# Allegro board RK3588S_Template_LP5D315P232SD10H2_42x42_2750MHz_1R2_V10_20220413YWQ.brd (continued)
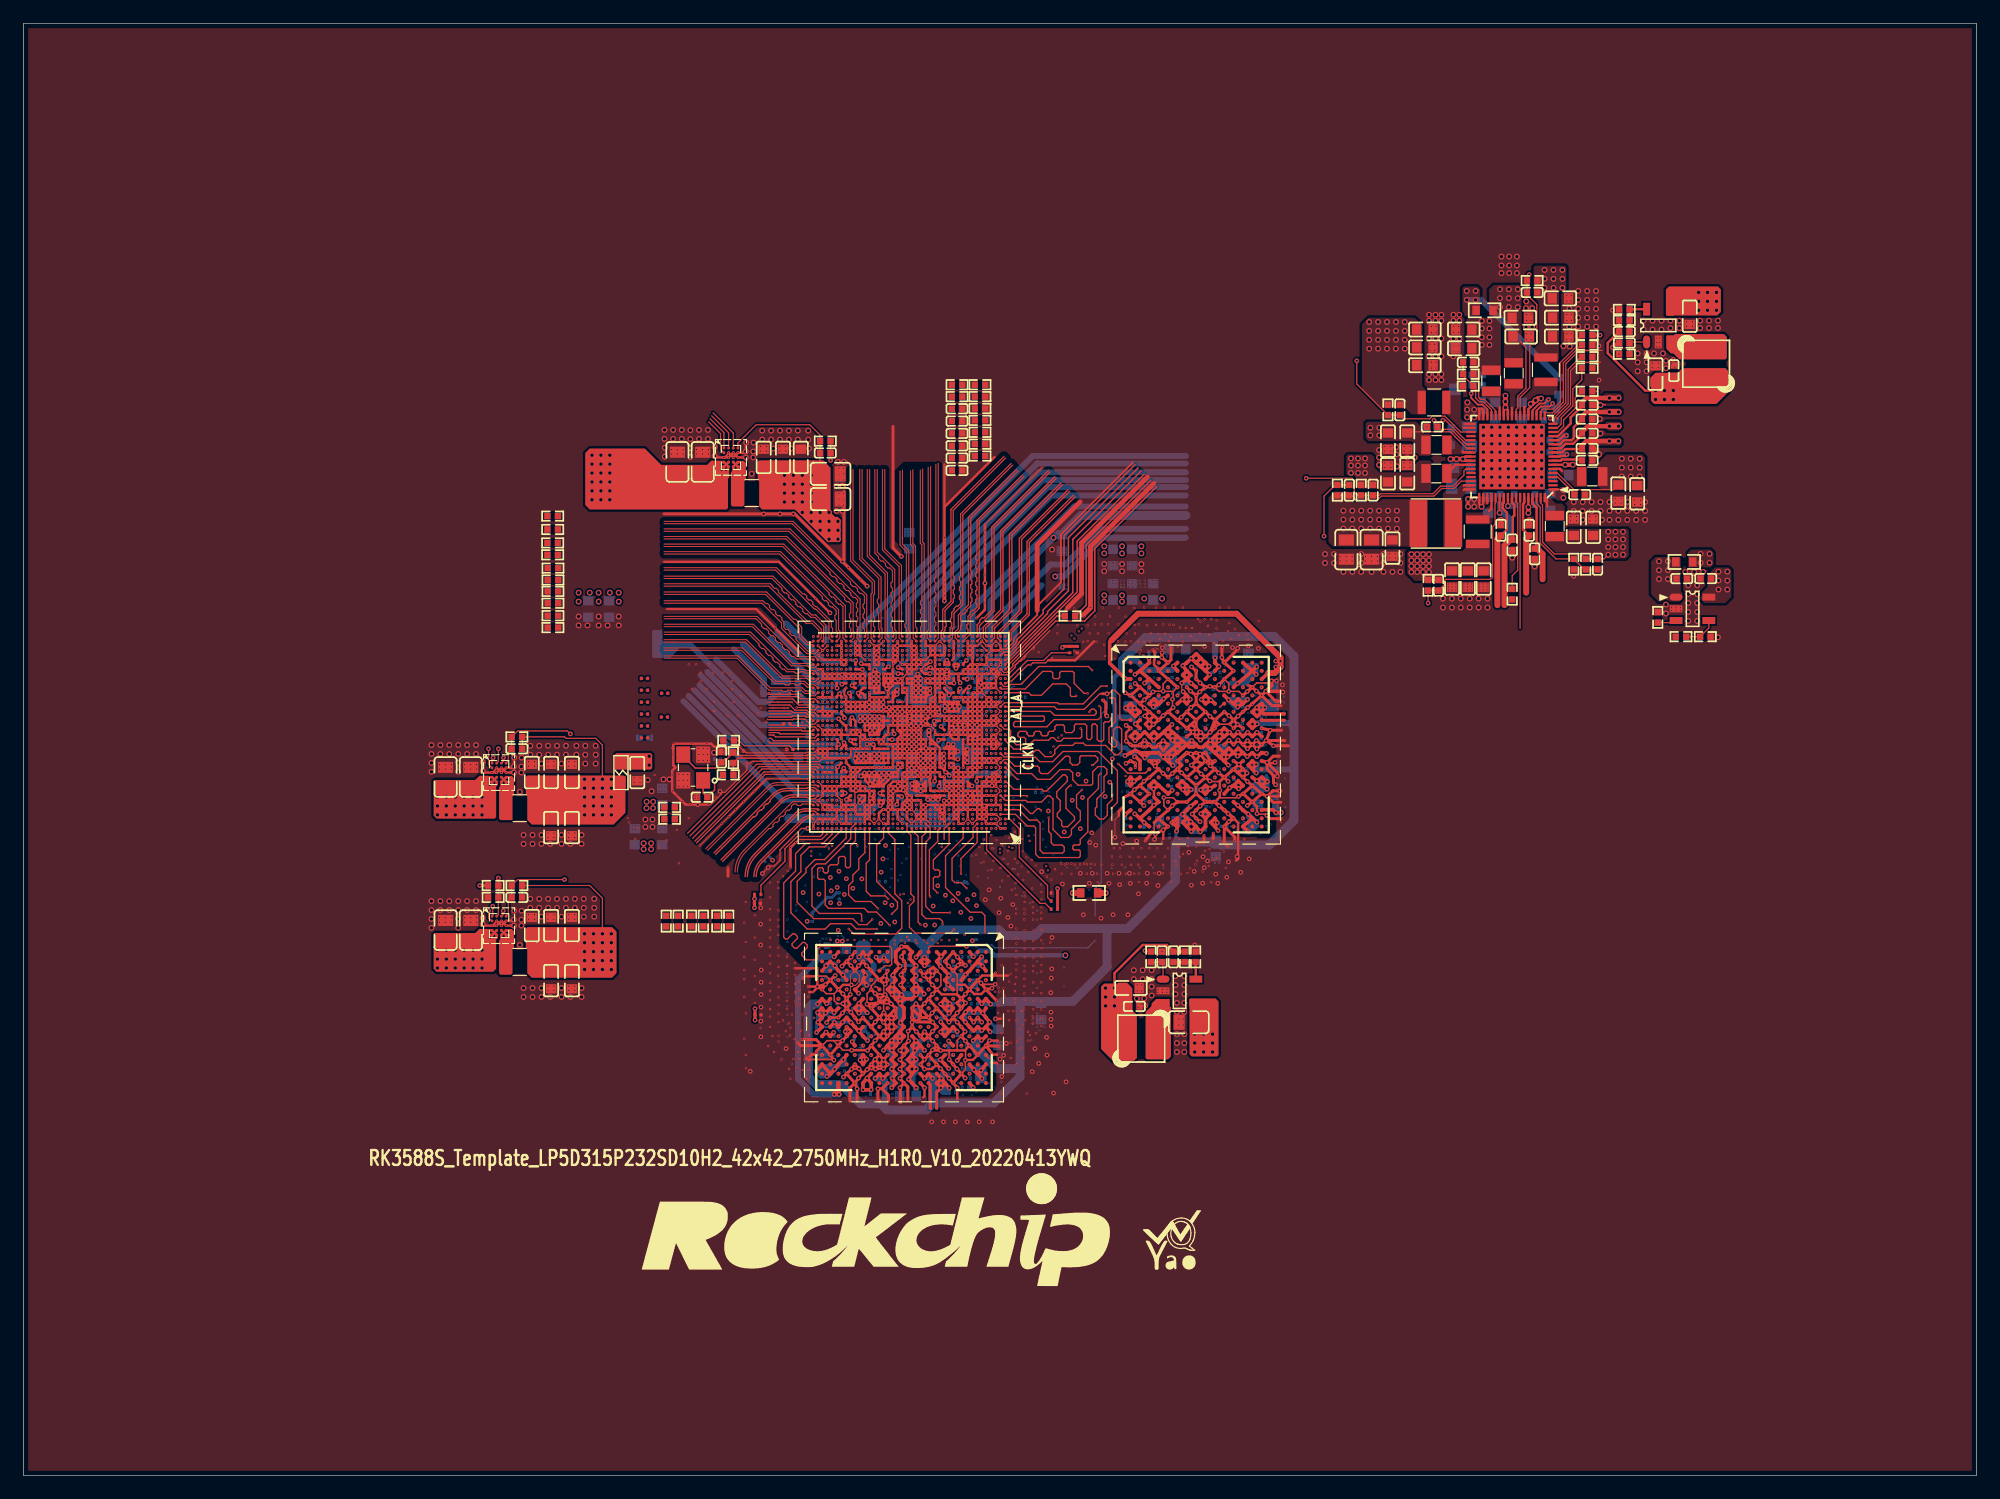
[diagram p0: board, top side]
## Routing (per net, layer and track width the routed paths; a pad name or vN(x,y) marks a point on that pad's centre or on a via; arc(x,y) is an arc through that point) (continued)
  L6-S2 w0.102: v1(79.79,33.14) 80.6,33.14 81.03,33.57 81.49,33.57 81.79,33.27 v4(81.79,32.81)
  L6-S2 w0.203: v4(75.49,60.5) 75.49,60.12 v4(75.54,60.07)
  L6-S2 w0.305: v1(106.15,67.01) 105.84,67.32 105.84,69.14 106.43,69.72 106.43,72.01 v4(105.81,72.63)
  L6-S2 w0.406: 99.69,52.83 98.34,51.47 90.3,51.47 85.6,56.18 85.6,59.44 86.83,60.67 v4(86.83,62.36) 86.83,63.79 85.33,65.29 85.33,66.91 86.23,67.82 86.23,70.74 88.32,72.82 105.61,72.82 v4(105.81,72.63) ; v4(81.79,32.81) 82.14,33.15 84.45,33.15 85.66,34.35 85.66,48.91 80.73,53.84 v1(73.67,53.84) 68.44,53.84 65.02,50.42 65.02,36.62 v1(65.16,36.49) 65.16,35.71 67.29,33.57 67.71,33.57 68.01,33.88 v4(68.01,33.93) ; v1(106.25,56.41) 106.25,56.72 106.81,57.28 v1(106.81,62.36) 106.81,66.42 106.22,67.01 v1(106.15,67.01)
  L8-S3 w0.064: 72.18,58.36 72.09,58.49 v4(71.88,58.52) ; 77.06,65.68 77.07,65.68 ; v4(69.04,63.32) 69.04,63.14 v5(69.21,62.97) ; v4(69.04,63.32) 68.86,63.32 v5(68.58,63.04) ; v4(69.04,63.32) 69.16,63.32 v5(69.34,63.14) ; 68.3,55.65 68.07,55.88 v6(67.98,55.88) 67.73,56.13 67.43,56.13 v8(67.18,55.88) ; 77.42,65.58 77.09,65.66 77.17,65.58 ; v5(70.51,63.83) 70.61,63.83 v4(70.79,63.65) 70.99,63.65 v5(71.12,63.53) ; v5(76.73,64.36) 76.73,64.39 76.74,64.39 76.73,64.44 v4(76.46,64.65) ; v5(75.08,64.24) 75.11,64.26 75.11,64.34 75.27,64.5 75.29,64.48 ; v5(77.67,58.42) 77.47,58.42 v4(77.34,58.55) ; v4(71.88,58.52) 71.75,58.39 71.66,58.39 71.63,58.42 v5(71.6,58.39) ; v4(71.88,58.52) v5(71.48,58.57) ; v5(72.03,67.82) v4(72.03,67.48) ; 71.53,67.61 71.53,67.58 71.63,67.52 71.65,67.44 v4(71.58,67.51) ; v4(76.1,59.64) 76.33,59.41 76.3,59.38 76.3,58.14 v6(76.07,57.91) ; 75.16,63.75 75.21,63.7 75.44,63.7 v4(75.56,63.58) ; v5(72.86,65.28) 72.87,65.28 73.11,65.39 v4(73.15,65.38) 73.18,65.35 73.27,65.34 v5(73.41,65.18) ; v4(77.17,61.65) 77.26,61.51 77.33,61.5 77.5,61.26 77.49,61.22 v5(77.5,61.21) ; v5(76.1,61.21) 76.08,61.22 75.93,61.09 v4(75.92,60.97) 76.23,60.98 v5(76.33,61.09) ; 76.29,63.02 76.67,63.13 v4(76.71,63.2) ; v4(74.04,62.23) 73.86,62.57 73.87,62.6 73.86,62.62 73.86,62.64 ; 82.84,64.86 82.9,64.86 v5(83.06,65.02) ; 82.84,64.86 v5(83.06,64.64) 82.8,64.39 82.8,64.34 82.86,64.34 v5(83.06,64.14) ; 82.84,64.86 v4(82.78,64.86) ; 75.13,63.32 75.24,63.43 v5(75.23,63.5) 75.26,63.53 75.26,63.58 75.18,63.65 75.18,63.76 74.98,63.95 v4(74.9,63.95) ; v5(70.33,63.7) 70.1,63.7 v4(70.03,63.63) 69.93,63.73 v5(69.72,63.73) v5(69.55,63.91) ; 75.29,64.48 75.29,64.61 ; 75.29,64.48 75.31,64.46 ; 75.29,64.61 74.96,64.95 v5(74.93,64.95) ; 75.29,64.61 75.31,64.59 75.31,64.46 ; 75.31,64.46 v4(75.31,64.44) ; 76.5,63.47 76.5,63.78 v5(76.5,63.75)
  L8-S3 w0.076: 92.73,63.62 92.73,63.63 ; 92.73,63.62 92.73,63.62 92.73,63.63 ; 92.73,63.62 92.7,63.62 92.7,63.64 92.71,63.64 v4(92.73,63.66) ; 92.73,63.63 92.73,63.85 92.63,63.96 ; 91.28,63.53 90.83,63.08 ; 91.28,63.53 91.42,63.67 ; 91.28,63.53 91.28,63.41 v6(91.28,63.41) ; 90.83,63.08 90.55,63.08 ; 90.83,63.08 91.26,63.08 ; 90.83,63.08 90.83,62.97 90.68,62.82 ; 96.27,63.78 96.52,63.78 96.54,63.8 ; 96.27,63.78 96.27,63.9 v1(96.54,64.18) ; 96.27,63.78 94.29,63.78 ; 90.07,63.61 90.04,63.61 ; 90.07,63.61 90.61,63.61 90.71,63.72 ; 90.07,63.61 v6(89.92,63.76) ; 90.04,63.61 89.57,63.61 ; 90.04,63.61 90.04,63.62 v6(90.2,63.78) 90.26,63.72 90.71,63.72 ; 93.58,63.68 93.16,63.68 93.02,63.54 ; 93.58,63.68 93.3,63.96 93.02,63.96 ; 93.58,63.68 93.87,63.39 ; 96.54,63.8 96.56,63.78 96.94,63.78 ; 96.54,63.8 96.54,64.16 v1(96.54,64.18) ; 88.87,62.38 88.49,62.38 88.49,62.58 88.86,62.58 ; 88.87,62.38 88.79,62.46 v6(88.79,62.51) 88.86,62.58 ; 88.87,62.38 89.13,62.38 ; 90.95,63.95 91.01,64.01 ; 90.95,63.95 90.95,64.01 ; 90.95,63.95 90.71,63.72 ; 91.01,64.01 90.95,64.01 ; 91.01,64.01 91.1,64.11 ; v1(96.54,64.18) 96.94,63.78 ; 90.08,62.82 89.63,62.38 89.53,62.38 ; 90.08,62.82 89.89,62.82 v6(89.73,62.98) ; 90.08,62.82 90.08,62.86 90.3,63.08 ; 90.08,62.82 90.3,62.82 ; v4(90.76,61.53) 90.85,61.53 v4(91.25,61.13) ; 95.82,62.85 96.22,63.24 ; 95.82,62.85 v1(95.79,62.82) 95.37,63.24 ; 95.82,62.85 95.82,63.24 ; 96.22,63.24 96.93,63.24 ; 96.22,63.24 95.82,63.24 ; 90.68,62.82 90.3,62.82 ; 90.68,62.82 91.01,62.82 ; 90.3,62.82 90.55,63.08 ; 90.95,64.01 90.95,64.13 v6(90.97,64.15) 91.03,64.22 91.15,64.22 ; 91.93,63.31 91.53,62.91 ; 91.93,63.31 91.93,63.42 v4(91.67,63.68) ; 91.93,63.31 91.57,63.31 v6(91.53,63.35) ; 91.53,62.91 v6(91.53,63.35) ; 91.53,62.91 91.44,62.82 ; 94.29,63.78 94.24,63.78 93.83,64.19 ; 94.29,63.78 94.22,63.86 94.22,64.1 v1(94.22,64.1) 94.13,64.19 93.83,64.19 ; 92.58,64.49 93.52,64.49 93.83,64.19 ; 92.58,64.49 91.48,64.49 91.21,64.22 ; 92.58,64.49 92.58,64.89 v1(92.56,64.9) ; v6(89.04,59.99) 89.04,60.19 v4(89.13,60.29) 89.24,60.18 v6(89.24,59.98) ; 96.94,63.78 98.45,63.78 ; 98.45,63.78 98.53,63.86 ; 98.45,63.78 98.58,63.78 98.6,63.8 ; v6(89.01,60.89) 89.68,60.89 v6(89.83,60.74) 89.85,60.76 v6(89.85,61.06) 89.85,61.21 v4(89.62,61.43) ; v4(91.67,63.68) 91.67,63.67 91.42,63.67 ; v4(91.67,63.68) 91.67,63.88 91.74,63.96 ; 91.42,63.67 91.7,63.96 91.74,63.96 ; 89.46,63.61 89.33,63.61 88.83,63.11 88.23,63.11 87.96,62.85 87.96,62.7 87.96,62.11 ; 89.46,63.61 89.57,63.61 ; 89.46,63.61 89.57,63.72 ; 91.21,64.22 91.1,64.11 ; 91.21,64.22 91.15,64.22 ; 91.1,64.11 91.1,64.17 91.15,64.22 ; 89.13,62.38 89.53,62.79 ; 89.13,62.38 89.53,62.38 ; 89.53,62.79 89.53,62.38 ; 89.53,62.79 v6(89.73,62.98) ; 97.41,63.24 97.79,63.24 ; 97.41,63.24 96.93,63.24 ; 97.41,63.24 97.38,63.22 v1(97.38,62.79) ; 97.79,63.24 98.43,63.24 98.7,62.97 99.16,62.97 99.69,63.51 99.8,63.51 99.88,63.43 ; 97.79,63.24 97.79,63.2 v1(97.38,62.79) ; 94.21,63.24 94.21,62.77 v1(94.23,62.75) 94.73,63.24 ; 94.21,63.24 94.02,63.24 93.87,63.39 ; 94.21,63.24 94.73,63.24 ; v1(97.38,62.79) 96.93,63.24 ; 89.66,61.47 89.66,61.85 ; 89.66,61.47 v4(89.62,61.43) ; 89.66,61.47 90.03,61.85 ; 89.66,61.85 89.85,61.85 ; 89.66,61.85 89.28,61.85 ; 91.01,62.82 91.44,62.82 ; 91.01,62.82 91.26,63.08 ; 90.55,63.08 90.3,63.08 ; 99.38,64.9 99.38,63.99 98.96,63.57 98.88,63.57 98.68,63.78 98.62,63.78 98.6,63.8 ; 99.38,64.9 99.01,64.9 98.93,64.82 98.93,64.81 ; 99.38,64.9 99.65,65.17 99.78,65.17 ; 93.02,63.54 93.02,63.96 ; 93.02,63.54 v6(93,63.52) ; v6(89.73,62.98) 89.83,63.08 ; v6(89.73,62.98) 89.69,63.03 89.5,63.03 ; 90.55,62.29 90.3,62.29 90.22,62.22 ; 90.55,62.29 91.66,62.29 ; 90.55,62.29 90.48,62.22 ; 89.83,63.08 90.3,63.08 ; 89.83,63.08 89.55,63.08 89.5,63.03 ; 98.53,63.86 98.53,63.97 98.59,64.02 98.59,64.35 v4(98.63,64.39) ; 98.53,63.86 98.6,63.8 ; 94.73,63.24 95.37,63.24 ; 91.44,62.82 91.26,63.01 91.26,63.08 ; 89.57,63.72 v4(89.57,63.78) ; 89.57,63.72 89.57,63.61 ; 95.37,63.24 95.82,63.24 ; 91.74,63.96 92.63,63.96 ; 99.88,63.43 99.88,63.47 v1(99.93,63.53) ; 99.88,63.43 99.94,63.5 99.94,63.65 100.04,63.75 100.16,63.75 100.36,63.56 100.55,63.56 ; 90.22,62.22 89.85,61.85 ; 90.22,62.22 90.48,62.22 ; v6(101.39,64.5) v1(101.39,64.87) 101.35,64.9 100.65,64.9 100.64,64.91 ; v6(101.39,64.5) 101.67,64.21 v6(101.67,63.81) 101.42,63.56 101.34,63.56 ; v6(101.39,64.5) 101.12,64.5 100.87,64.74 100.78,64.74 v4(100.59,64.93) 100.59,64.96 ; 92.63,63.96 93.02,63.96 ; 92.04,62.67 92.79,62.67 v6(92.85,62.72) 92.97,62.59 v6(93.3,62.59) ; 92.04,62.67 91.66,62.29 ; 92.04,62.67 92.21,62.84 93.02,62.84 93.14,62.96 93.15,62.96 ; v6(91.53,63.35) 91.26,63.08 ; 80.49,41.13 80.54,41.08 v5(80.88,41.08) 80.88,41.09 v5(81.26,41.09) 81.41,41.24 v5(81.41,41.35) 81.41,41.68 v1(81.82,42.08) ; 89.85,61.85 90.03,61.85 ; v4(89.62,61.43) 89.54,61.43 v6(89.33,61.22) 89.27,61.16 88.88,61.16 v6(88.87,61.18) 88.45,61.18 v6(88.42,61.15) 88.35,61.08 v6(88.35,60.84) ; v4(89.62,61.43) 89.62,61.51 89.28,61.85 ; 91.66,62.29 91.57,62.2 v6(90.46,62.2) ; v6(93.15,63.31) 93.23,63.39 93.87,63.39 ; 93.15,62.96 93.15,63.19 92.83,63.52 ; 93.15,62.96 v4(93.15,62.92) ; v1(100.58,63.51) 100.58,63.53 100.55,63.56 ; 99.78,65.17 100.13,65.17 100.39,64.9 100.52,64.9 100.59,64.98 100.59,64.96 ; 99.78,65.17 99.78,65.59 v1(99.75,65.63) ; 89.5,63.03 89.05,62.58 88.86,62.58 ; 101.17,64.91 100.64,64.91 ; 100.64,64.91 100.59,64.96 ; v6(89.7,66.95) 89.7,66.78 v6(89.72,66.75) 89.72,66.63 v4(89.56,66.47) ; 101.37,63.53 101.34,63.56 ; 101.34,63.56 101.29,63.56 101.05,63.8 100.88,63.8 100.74,63.66 100.65,63.66 100.55,63.56 ; 90.03,61.85 90.11,61.85 v6(90.46,62.2) ; 89.28,61.85 88.23,61.85 87.96,62.11 ; v6(90.46,62.2) 90.48,62.22 ; v1(92.82,59.25) 92.64,59.43 90.87,59.43 v1(90.79,59.34) ; 87.96,62.11 87.76,62.11
  L8-S3 w0.102: v4(89.8,65.62) 89.44,65.62 v6(89.38,65.56) 89.23,65.4 v4(88.93,65.4) ; v4(73.61,62) 73.41,62 v6(73.28,62.13) 73.12,62.29 v4(73.12,62.42) ; v5(69.72,36.96) 69.63,36.87 v5(69.47,36.87) 69.33,37.01 v4(69.33,37.14) ; v5(69.72,36.96) 69.78,36.96 69.96,37.14 ; v5(69.72,36.96) 69.72,37.25 v6(69.55,37.43) 69.71,37.59 v5(69.85,37.59) 69.87,37.59 v1(70.22,37.94) ; 76.69,65.45 76.63,65.54 76.51,65.57 76.46,65.65 76.45,65.55 76.28,65.42 v5(76.26,65.42) ; v4(72.58,65.41) 72.58,65.57 72.59,65.59 ; v4(73.08,65.78) 73.01,65.83 72.94,66.27 72.93,66.39 v5(72.9,66.42) ; v4(73.08,65.78) 73.05,65.63 73.26,65.35 73.29,65.34 v5(73.41,65.18) ; v4(73.08,65.78) 72.83,65.61 72.89,65.52 ; v4(73.08,65.78) 72.9,65.84 72.82,66 72.84,66.13 72.85,66.14 ; 82.01,64.3 81.89,64.18 v4(81.89,64.15) ; v6(91.99,65.28) 92.28,65.28 v4(92.31,65.31) 92.16,65.31 91.99,65.48 ; v6(91.99,65.28) 91.68,65.28 v4(91.66,65.3) ; v6(91.99,65.28) 91.99,65.48 ; v6(76.1,65.71) 75.87,65.43 v5(75.85,65.42) 75.88,65.42 76.04,65.53 76.2,65.51 76.43,65.19 v4(76.5,65.18) 76.46,65.17 76.25,64.9 ; 80.45,34.4 80.52,34.4 v6(80.56,34.36) 80.57,34.36 v5(80.77,34.16) ; 72.56,64.05 v6(72.54,64.03) 72.52,64.05 ; 72.56,64.05 73.41,64.05 73.51,64.15 ; 72.56,64.05 72.52,64.05 ; v6(72.77,69.42) 72.77,69.41 72.26,68.9 v6(72.26,68.63) ; v6(73.41,55.75) 73.48,55.83 73.79,55.83 73.53,56.08 73.53,56.38 73.57,56.42 ; v4(74.84,64.63) 74.88,64.36 74.99,64.28 75.02,64.28 75.11,64.21 75.11,64.21 v5(75.08,64.24) ; v4(74.84,64.63) 74.77,64.48 74.81,64.36 v5(74.88,64.33) ; v4(74.84,64.63) 74.97,64.76 74.97,64.9 v5(74.93,64.95) ; v5(78.1,63.53) 78.5,63.53 79.02,64.05 v4(79.18,64.05) ; v4(71.93,63.95) 72.03,64.05 72.52,64.05 ; 77.22,68.11 77.2,68.09 77.2,67.65 77.1,67.55 77.1,65.71 77.07,65.68 77.09,65.66 ; 91.99,65.48 v6(91.95,65.52) ; v4(67.39,57.96) 67.55,57.8 v6(67.64,57.8) 67.73,57.8 ; v5(72.64,56.13) 72.59,56.08 72.29,56.08 ; v6(80.39,56.52) 80.62,56.52 v4(80.69,56.58) ; v5(71.08,68.2) 71,68.2 70.97,68.22 70.97,68.46 70.87,68.56 70.87,68.52 v4(70.89,68.5) 70.89,69.38 70.62,69.65 v4(69.93,69.65) ; v5(71.28,67.45) 70.97,67.15 70.97,66.65 v5(70.82,66.5) ; v6(74.55,57.91) 74.55,57.86 74.65,57.76 74.78,57.76 74.98,57.56 75.16,57.56 v6(75.18,57.53) ; 77.47,60.08 v5(77.47,60.07)
  L8-S3 w0.127: v6(89.33,66.24) 89.55,66.02 v6(89.55,65.91) ; v6(89.33,66.24) 89.53,66.44 ; v6(89.33,66.24) 89.18,66.09 v4(89.05,66.09) ; 98.17,70.33 v6(97.88,70.33) ; v6(82.05,47.62) 82.01,47.62 v4(81.79,47.4) 81.65,47.53 v6(81.65,47.68) ; 102.21,64.21 v4(102.18,64.18) ; 102.21,64.21 v6(102.52,64.21) ; 102.21,64.21 102.24,64.24 ; v4(102.18,64.18) 102,64.36 v6(101.63,64.36) ; v4(102.18,64.18) 102.38,63.98 v6(102.52,63.98) ; v4(102.18,64.18) 102.04,64.04 v6(101.79,64.04) ; v5(70.1,43.82) 69.95,43.66 v1(69.95,43.53) 69.95,43.32 v1(69.36,42.73) ; 91.69,65.32 v6(91.69,65.7) 91.69,65.72 v6(91.44,65.96) ; 91.69,65.32 91.89,65.52 v6(91.95,65.52) ; 91.69,65.32 v4(91.66,65.3) ; 80.95,35.4 v6(80.95,35.7) ; v6(79.21,36.52) 79.49,36.52 v4(79.58,36.43) ; v1(70.14,49.66) 70.24,49.66 70.77,50.18 70.82,50.18 ; v1(97.39,55.18) 97.57,55 v4(97.57,54.7) ; 88.75,60.94 88.87,61.06 v6(88.87,61.18) ; 88.75,60.94 v4(88.7,60.89) ; 88.75,60.94 88.96,60.94 v6(89.01,60.89) 89.12,60.99 89.44,60.99 v6(89.52,61.07) ; 93.56,57.17 93.45,57.27 v4(93.43,57.27) 93.43,57.29 93.6,57.46 v6(93.72,57.46) ; 93.56,57.17 93.64,57.08 v6(93.64,56.95) ; 93.56,57.17 v6(93.79,57.17) ; v1(77.69,41.14) 77.69,41.53 v6(77.66,41.55) ; v1(77.69,41.14) 77.6,41.14 77.17,40.71 77.17,40.53 v1(76.99,40.34) ; v1(77.69,41.14) 78.03,41.14 v6(78.13,41.04) 78.32,40.85 ; v5(79.28,34.2) 79.49,34.41 79.75,34.41 79.75,34.73 v1(79.76,34.74) 79.76,34.88 v1(79.1,35.54) ; v4(73.83,46.62) 73.97,46.48 v6(73.97,46.31) ; v4(73.83,46.62) 73.93,46.73 v6(73.93,47) 74.23,47.3 v1(74.45,47.3) ; v4(73.83,46.62) 73.67,46.47 v6(73.67,46.26) ; v4(73.83,46.62) 73.68,46.77 v6(73.68,46.97) 73.47,47.18 v1(73.26,47.18) 73.44,47.36 v6(73.44,47.67) 73.44,47.93 ; 102.36,59.27 102.45,59.19 102.45,59.12 ; 102.36,59.27 v4(102.25,59.39) 101.42,59.39 v1(101.37,59.34) ; 102.36,59.27 v6(102.36,58.91) 102.38,58.9 102.38,58.79 102.22,58.63 v1(102.22,58.55) 102.39,58.55 102.86,58.09 ; v1(91.28,54.92) 91.85,54.92 92.49,54.28 ; v4(77.62,35.34) 77.62,35.34 v6(77.29,35.34) ; v4(77.62,35.34) 77.58,35.34 77.38,35.54 ; v4(77.62,35.34) 77.85,35.11 v6(77.88,35.11) 78.21,34.78 v1(78.36,34.78) ; v4(77.62,35.34) 77.75,35.47 v6(77.9,35.47) ; v6(104.16,68.2) 104,68.2 v4(103.83,68.37) ; v6(97.05,60.71) 97.05,60.39 v4(97.02,60.36) ; v4(71.47,37) 71.59,37 v6(71.8,36.79) ; v4(71.47,37) 71.47,37.03 71.56,37.12 v4(71.56,37.42) 71.54,37.45 v6(71.22,37.45) 71.07,37.6 v6(71.07,37.61) ; v4(71.47,37) 71.45,37 71.2,36.76 v6(71.2,36.75) ; 73.11,37.56 73.01,37.66 v6(73.01,37.78) ; 73.11,37.56 v6(72.85,37.56) ; 73.11,37.56 v4(73.19,37.48) 72.87,37.16 v1(72.77,37.16) ; v4(99.07,70.22) 99.2,70.09 v6(99.2,69.87) 99.26,69.81 99.26,69.64 99.8,69.1 v1(99.81,69.1) ; v4(99.07,70.22) 98.93,70.08 v6(98.93,69.9) ; v4(99.07,70.22) 99.09,70.24 v6(99.44,70.24) 99.46,70.24 v6(99.65,70.44) 99.84,70.44 ; v4(89.62,54.55) 89.7,54.55 89.78,54.46 v6(89.99,54.46) ; 92.35,65.27 v6(92.67,65.27) ; 92.35,65.27 v4(92.31,65.31) 92.31,65.34 v6(92.7,65.73) 92.89,65.92 ; 92.35,65.27 92.56,65.06 ; v6(92.67,65.27) 92.56,65.17 92.56,65.06 ; v6(92.67,65.27) 92.98,65.59 v4(93.35,65.59) ; v4(88.7,60.89) 88.43,61.15 v6(88.42,61.15) ; v4(88.7,60.89) 88.64,60.84 v6(88.35,60.84) ; 98.02,59.16 97.83,59.35 v6(97.78,59.35) ; 98.02,59.16 v6(97.66,59.16) ; 98.02,59.16 v4(98.03,59.15) 98.2,58.98 v6(98.33,58.98) ; 92.89,65.92 92.89,65.72 v6(92.99,65.63) ; 92.89,65.92 v4(92.89,65.99) ; v4(91.25,61.13) 91.1,60.98 v6(90.95,60.98) 90.67,60.98 v4(90.62,61.03) 90.62,61.39 v4(90.76,61.53) 90.76,61.38 v6(90.94,61.19) 91,61.13 v4(91.25,61.13) ; v4(91.25,61.13) 91.46,60.93 v6(91.54,60.93) ; 67.86,36.96 68.05,36.78 v6(68.13,36.78) 68.13,36.77 v5(68.13,36.53) ; 67.86,36.96 v6(67.86,36.64) ; 67.86,36.96 v4(67.86,36.97) ; v6(80.43,47.11) 80.43,46.87 80.35,46.79 ; 102.85,54.88 102.85,55.11 102.59,55.37 v6(102.59,55.49) 102.59,55.74 v6(102.52,55.82) 102.52,55.97 v6(102.43,56.06) 102.43,56.3 v4(102.35,56.38) 102.37,56.39 102.8,56.39 102.94,56.53 v1(102.94,56.56) ; 102.85,54.88 102.97,54.76 v4(102.97,54.73) ; 102.85,54.88 102.81,54.92 v6(102.63,54.92) ; v6(81.36,46.64) 81.38,46.66 v4(81.72,46.66) ; 84.08,46.95 84.03,46.95 v6(83.93,46.85) 83.69,46.85 v4(83.57,46.97) ; 72.16,41.2 72.3,41.35 v6(72.3,41.4) 72.57,41.67 v6(72.57,41.82) 72.57,41.95 72.76,42.15 ; 92.91,68.39 92.62,68.39 v6(92.55,68.32) 92.29,68.32 v6(92.05,68.57) ; 70.93,35.61 70.89,35.56 70.78,35.56 v4(70.71,35.49) ; 100.13,70.43 v4(99.98,70.58) 99.88,70.68 99.73,70.68 99.76,70.71 ; v6(73.56,37.53) 73.24,37.53 ; v6(89.55,65.91) 89.47,65.83 v6(89.26,65.83) 89.26,65.88 v4(89.05,66.09) ; v6(89.55,65.91) 89.55,65.88 v4(89.8,65.62) ; 80.45,34.4 v4(80.16,34.4) ; 69.68,50.41 v1(69.53,50.26) 69.22,49.95 69.04,49.95 v1(69.02,49.97) ; 69.68,50.41 v1(69.68,51.64) ; 69.68,50.41 70.27,51 v1(70.31,51) ; 78.02,49.42 77.92,49.52 v6(77.79,49.52) ; 78.02,49.42 v4(78.08,49.36) ; 78.02,49.42 v6(78.02,49.66) ; 93.46,67.95 93.35,68.06 v6(93.19,68.06) ; 80.01,36.32 79.68,36.32 ; 80.01,36.32 80.1,36.32 ; 80.01,36.32 79.88,36.46 79.86,36.46 ; 79.68,36.32 v4(79.58,36.43) ; 79.68,36.32 79.83,36.18 v6(79.95,36.18) 80.1,36.32 ; v6(80.17,44.15) 80.39,44.15 v4(80.49,44.05) 80.49,44.04 v1(80.49,43.59) 80.18,43.59 ; v6(80.17,44.15) 79.96,44.15 79.85,44.26 ; v6(80.17,44.15) 80.14,44.12 80.14,43.98 v6(80.06,43.9) 80.14,43.81 80.14,43.62 80.18,43.59 ; 98.53,65.63 v1(98.23,65.63) ; 98.53,65.63 98.52,65.61 v6(98.52,65.12) ; 98.53,65.63 v6(98.55,65.65) 98.55,65.91 98.62,65.97 ; v1(98.23,65.63) 98.23,65.68 98.27,65.72 v6(98.27,65.97) ; v1(98.23,65.63) 98.18,65.63 97.85,65.3 ; 92.37,61.05 92.46,60.96 v6(92.46,60.77) ; 92.37,61.05 v4(92.33,61.09) 92.26,61.17 ; 92.37,61.05 v6(92.65,61.05) ; v6(90.53,60.69) 90.58,60.65 v6(90.58,60.38) 90.58,60.25 v4(90.75,60.08) ; v6(90.53,60.69) 90.33,60.69 90.27,60.76 ; v6(90.53,60.69) 90.53,60.95 ; v6(103.5,68.2) 103.66,68.2 v4(103.83,68.37) ; v6(98.96,54.4) 98.82,54.4 v4(98.56,54.14) 98.56,54.48 98.82,54.74 v6(99.01,54.74) ; 78.5,40.85 v6(78.77,41.12) 79.08,41.12 ; 78.5,40.85 78.67,40.85 v6(78.78,40.74) ; 78.5,40.85 v4(78.44,40.85) 78.37,40.79 v6(78.09,40.79) ; v6(98.56,61.23) 98.56,61.34 98.83,61.61 98.73,61.71 v6(98.54,61.71) ; v4(78.69,37.5) 78.54,37.36 v6(78.36,37.36) 78.29,37.43 v6(78.07,37.43) ; v6(91.02,57.37) 91.02,57.6 v4(91.15,57.73) ; v1(77.64,39.53) 77.35,39.24 v5(77.12,39.24) 77.27,39.09 v5(77.27,38.96) ; v1(77.64,39.53) 77.69,39.53 v6(77.95,39.8) 77.91,39.8 v4(77.62,40.09) 77.38,40.09 v6(77.27,39.98) 77.27,40.05 v1(76.99,40.34) ; v1(77.64,39.53) 77.69,39.48 v1(77.69,38.74) ; v6(87.96,64.62) 87.96,64.85 87.89,64.92 ; 73.44,47.93 73.54,47.83 73.6,47.83 ; 73.44,47.93 v4(73.34,48.03) 73.43,48.12 v6(73.71,48.12) 73.94,48.36 ; v6(96.73,67.26) 96.73,67.54 v4(96.69,67.58) 96.51,67.41 v6(96.51,67.29) 96.51,66.97 v1(96.52,66.97) 96.44,66.9 96.24,66.9 95.77,66.43 v1(95.77,66.29) ; v4(82.54,46.86) 82.47,46.94 82.36,46.94 v6(82.28,47.02) ; v6(72.16,40.77) 72.08,40.7 ; 72.08,40.7 v1(72.08,40.28) 72.15,40.22 ; 72.08,40.7 72.03,40.64 v6(71.92,40.64) 71.81,40.64 v4(71.64,40.81) 71.6,40.77 v6(71.11,40.77) ; v6(92.6,61.33) 92.58,61.33 92.49,61.24 ; v4(97.57,54.7) 97.8,54.47 97.8,54.36 v6(97.84,54.31) ; v4(97.57,54.7) 97.49,54.63 v6(97.49,54.31) ; v4(97.02,60.36) 97.37,60.01 v1(97.37,60) ; v4(97.02,60.36) 97.02,60.38 96.74,60.66 96.72,60.66 ; v4(97.02,60.36) 96.89,60.23 v6(96.68,60.23) ; v4(78.58,51.86) 78.58,51.88 78.79,52.1 v6(78.79,52.1) ; v4(78.58,51.86) 78.55,51.86 ; v4(78.58,51.86) 79.04,51.86 ; v5(83.16,36.08) 83.4,36.08 v5(83.42,36.09) 83.56,36.09 v1(83.74,35.91) ; 79.54,40.93 v6(79.41,40.8) ; v4(83.4,48.73) 83.36,48.69 ; v4(83.4,48.73) 83.26,48.88 v6(83.09,48.88) ; v4(83.4,48.73) 83.44,48.7 ; 83.36,48.69 v1(83.36,48.09) 83.36,47.96 83.45,47.88 v6(83.45,47.3) 83.45,47.1 v4(83.57,46.97) ; 83.36,48.69 83.31,48.64 v6(83.07,48.64) ; v4(92.09,57.45) 91.95,57.6 v6(91.79,57.6) ; v4(92.09,57.45) 92.25,57.6 v6(92.43,57.6) 92.42,57.62 v1(92.42,58.02) ; v4(92.09,57.45) 92.25,57.29 v6(92.44,57.29) ; v4(92.09,57.45) 92.08,57.43 ; 84.4,45.9 84.4,46.19 84.49,46.28 v6(84.55,46.28) 84.55,46.78 v1(84.37,46.95) ; 84.4,45.9 84.52,46.02 v6(84.74,46.02) ; 84.4,45.9 v4(84.35,45.85) ; 78.31,41.89 78.07,41.64 v6(78.07,41.59) 77.7,41.59 v6(77.66,41.55) ; 78.31,41.89 78.14,42.06 v6(78,42.06) 77.88,41.93 v1(77.66,41.93) 77.65,41.93 77.66,41.91 v6(77.66,41.55) ; 78.31,41.89 v4(78.34,41.89) ; 93.38,58.91 v4(93.52,58.91) 93.58,58.85 v6(93.88,58.85) ; 93.38,58.91 v6(93.23,59.06) 93,59.06 v1(92.82,59.25) ; 93.38,58.91 93.15,58.91 v6(93.06,58.82) ; 98.01,70.51 98.11,70.41 v4(98.25,70.41) 98.31,70.47 v6(98.31,70.75) ; v1(69.96,45.67) 69.96,45.83 v5(70.1,45.97) ; v1(69.96,45.67) 69.56,45.67 ; v1(69.96,45.67) 69.93,45.69 v5(69.93,46.14) 69.79,46.14 69.59,45.93 ; v1(95.12,54.22) 95.12,54.28 94.77,54.63 94.71,54.63 ; v4(91.15,57.73) 91.08,57.79 v6(91.08,58.05) 91.08,58.26 v6(91.05,58.29) 91.09,58.33 v6(91.26,58.33) 91.26,58.63 v4(91.32,58.69) ; v4(91.15,57.73) 91.25,57.62 v6(91.25,57.38) ; v6(91.53,63.35) 91.53,63.54 ; 91.53,63.54 v4(91.67,63.68) ; 91.53,63.54 91.4,63.41 v6(91.28,63.41) ; v4(90.15,60.87) 90.02,60.74 v6(89.83,60.74) ; v4(90.15,60.87) 89.97,61.06 v6(89.85,61.06) 89.84,61.07 v6(89.52,61.07) ; v4(90.15,60.87) 90.27,60.76 ; 80.35,46.79 80.6,46.53 v6(80.6,46.52) ; 80.35,46.79 80.21,46.93 v6(80.21,47.18) 80.25,47.22 v6(80.25,47.52) 79.97,47.52 79.9,47.45 v4(79.88,47.45) ; 79.86,36.46 79.92,36.51 v6(79.98,36.51) 80.11,36.38 80.16,36.38 ; 79.86,36.46 79.6,36.46 v4(79.58,36.43) ; v4(76.26,47.36) 76.22,47.36 76.09,47.49 v6(76.09,47.7) ; v4(76.26,47.36) 76.26,47.34 76.39,47.21 v6(76.54,47.21) 76.72,47.03 v1(77.06,47.03) ; v4(76.26,47.36) 76.18,47.28 76.18,47.21 v6(76.05,47.09) ; v6(92.6,65.53) 92.79,65.53 v6(92.91,65.41) ; v5(82.43,36.4) 82.18,36.4 82.16,36.38 82.02,36.38 ; v1(76.99,35.54) 77.38,35.54 ; 77.38,35.54 v6(77.29,35.63) ; 79.85,44.26 v1(79.8,44.31) 79.8,44.37 v5(80.01,44.58) ; 79.85,44.26 v1(79.85,43.6) 79.87,43.59 80.18,43.59 ; v4(102.46,64.91) 102.46,65.06 v6(102.63,65.23) ; v4(102.46,64.91) 102.46,64.51 v6(102.51,64.45) 102.45,64.45 102.24,64.24 ; v4(102.46,64.91) 102.34,65.03 v6(102.34,65.24) 102.63,65.24 v6(102.63,65.23) ; v6(91.46,60.72) 91.46,60.85 v6(91.54,60.93) ; v6(91.46,60.72) 92.09,60.72 v6(92.15,60.78) 92.15,60.91 92.17,60.93 ; v6(91.46,60.72) 91.61,60.57 v6(91.61,60.41) 91.61,60.08 v4(91.59,60.06) 91.49,59.96 v6(91.16,59.96) 90.86,59.96 v4(90.75,60.08) ; v1(77.5,69.04) 77.45,69.04 77.09,68.68 77.09,68.24 77.22,68.11 77.22,68.11 ; v6(94.12,57.87) 94.12,57.97 94.07,58.02 ; v1(70.75,34.73) 70.61,34.86 70.61,34.98 ; v6(98.57,68.27) 98.27,68.27 v4(98.19,68.35) 98.36,68.53 ; v6(92.85,62.72) 92.95,62.72 v4(93.15,62.92) ; 92.12,68.37 v6(92.18,68.37) 92.2,68.35 v6(92.2,68.06) 91.95,68.06 ; 69.46,45.58 v1(69.55,45.68) ; 69.46,45.58 v5(69.46,45.31) ; 69.46,45.58 69.34,45.46 v5(69.29,45.46) ; v1(69.55,45.68) 69.56,45.67 ; v1(69.55,45.68) 69.59,45.72 69.59,45.93 ; v4(79.82,37.16) 79.59,37.39 v6(79.55,37.39) ; v4(79.82,37.16) 79.67,37.16 79.56,37.06 v6(79.53,37.06) ; v4(79.82,37.16) 80.05,37.4 v6(80.07,37.4) ; v4(79.82,37.16) 79.84,37.14 v1(80.49,37.14) ; 71.03,46.87 v4(71.05,46.87) ; 71.03,46.87 v6(70.8,47.1) ; 71.03,46.87 70.91,46.87 v6(70.78,46.73) ; v4(83.57,46.97) 83.72,47.11 ; 83.72,47.11 83.72,47.12 v6(83.92,47.12) 84.12,47.31 v1(84.12,47.69) ; 83.72,47.11 v6(83.72,47.29) ; 92.56,65.06 v1(92.56,64.9) ; v6(87.97,65.5) 87.9,65.43 v6(87.9,65.26) 87.9,64.94 v4(87.89,64.93) 87.89,64.92 ; v6(91.42,64.57) 91.02,64.57 v4(91,64.54) ; 102.63,65.57 102.64,65.58 v4(102.64,65.6) ; 102.63,65.57 102.52,65.46 102.34,65.46 v6(102.32,65.48) ; 102.63,65.57 v6(102.63,65.23) ; 69.59,45.93 v5(69.59,46.09) ; 89.88,64.06 89.97,64.06 v4(90.06,64.15) 90.2,64.02 v6(90.2,63.78) ; 89.88,64.06 v6(89.74,64.06) ; 89.88,64.06 89.85,64.08 v6(89.47,64.08) 89.54,64.15 v6(89.54,64.28) ; 70.82,50.18 70.29,50.71 70.29,50.98 v1(70.31,51) ; 70.82,50.18 v1(70.87,50.18) ; 70.61,34.98 v6(70.61,35.15) 70.61,35.39 v4(70.71,35.49) ; 70.61,34.98 70.9,34.98 70.95,34.93 ; 70.61,34.98 70.39,34.76 v6(70.33,34.76) 70.33,34.46 ; v4(93.48,56.09) 93.47,56.09 93.41,56.15 93.23,56.15 v6(93.17,56.2) 93.16,56.18 v6(93.16,55.99) 93.25,56.08 93.47,56.08 v4(93.48,56.09) ; v4(93.48,56.09) 93.56,56 v6(93.79,56) ; v4(91,64.54) 91.18,64.36 v6(91.27,64.36) ; v4(91,64.54) 91.09,64.54 v6(91.27,64.72) ; v5(69.75,45.35) 69.75,45.48 69.56,45.67 ; 72.15,40.22 72.34,40.02 v6(72.37,40.02) 72.69,40.02 ; 72.15,40.22 72.27,40.22 72.29,40.24 v6(72.38,40.24) 72.43,40.24 72.61,40.06 v4(72.73,40.06) 72.69,40.02 ; v6(71.89,41.43) 71.89,41.3 v4(72.07,41.11) ; v6(98.27,65.97) 98.62,65.97 ; v6(98.27,65.97) 98.18,66.07 v1(98.18,66.34) 98.19,66.33 v6(98.53,66.33) 98.53,66.12 v4(98.65,66) 98.62,65.97 ; 92.49,54.28 v4(92.75,54.02) ; 92.49,54.28 v6(92.38,54.28) ; v6(91.54,60.93) 91.64,61.02 v6(92,61.02) 92.27,61.02 ; 91.1,54.75 v1(91.1,54.09) ; v1(91.1,54.09) 91.33,53.86 v1(91.62,53.86) 92.58,53.86 92.59,53.86 ; v1(91.1,54.09) 90.53,54.09 v6(90.47,54.03) 90.26,54.03 90.2,53.97 ; v6(99.86,60.28) 100.19,60.28 v4(100.24,60.33) ; 92.59,53.86 v4(92.75,54.02) ; 92.59,53.86 v6(92.39,53.86) ; v1(73.63,48.95) 73.83,48.75 ; 73.83,48.75 74.19,48.75 v1(74.2,48.74) 74.2,48.62 73.94,48.36 ; 73.83,48.75 73.94,48.63 73.94,48.36 ; 99.05,61.39 v6(99.16,61.39) ; 72.77,42.14 72.86,42.05 v6(72.86,41.84) ; 81.03,35.37 81.29,35.64 v6(81.29,35.65) 82.02,36.38 ; 81.03,35.37 v6(81.39,35.37) ; 81.03,35.37 v4(81,35.35) ; v6(73.07,43.35) 72.98,43.35 v4(72.77,43.15) 72.95,42.98 v6(72.95,42.88) ; v4(84.35,45.85) 84.19,45.7 v6(84.19,45.47) ; v4(84.35,45.85) 84.46,45.75 v6(84.74,45.75) ; v4(79.58,36.43) 79.4,36.25 v6(79.21,36.25) ; 94.07,58.02 94.61,58.02 94.72,58.14 94.72,58.23 94.93,58.43 v1(94.93,58.61) 95.64,59.32 v1(95.75,59.32) ; 94.07,58.02 94.04,58.05 ; v6(72.85,37.56) 72.45,37.56 v6(72.45,37.57) 72.45,37.92 v4(72.44,37.92) 72.39,37.97 ; v6(72.85,37.56) 72.77,37.48 v1(72.77,37.16) ; v6(89.52,61.07) 89.37,61.22 v6(89.33,61.22) ; v6(89.52,61.07) 89.62,61.17 v4(89.62,61.43) ; v6(69.63,34.3) 69.82,34.49 v4(69.94,34.49) ; v4(93.15,62.92) v6(93.15,63.31) 93,63.47 v6(93,63.52) 92.83,63.52 92.73,63.61 v4(92.73,63.66) ; v4(93.15,62.92) 93.3,62.78 v6(93.3,62.59) ; 78.78,40.76 v4(79.11,41.09) 79.08,41.12 ; v6(101.96,66.45) 102.05,66.35 v4(102.26,66.35) 102.13,66.22 v6(101.97,66.22) ; v1(70.31,51) 70.21,51.1 v1(68.95,51.1) ; v6(95.82,68.25) 95.91,68.16 v6(96.14,68.16) 96.27,68.3 v4(96.49,68.3) 96.36,68.42 v6(96.15,68.42) 95.96,68.42 v6(95.93,68.45) ; 89.59,63.79 89.74,63.95 v6(89.74,64.06) ; 89.59,63.79 v4(89.57,63.78) 89.6,63.76 v6(89.92,63.76) ; 89.59,63.79 89.59,64.03 ; 78.3,49.57 v4(78.08,49.36) ; 78.3,49.57 78.32,49.59 v1(78.78,49.59) 78.93,49.59 v1(79.41,49.11) ; 78.3,49.57 v6(78.31,49.57) ; v4(78.08,49.36) 78.2,49.24 v6(78.2,49.07) ; v6(100.26,60.69) 100.26,60.35 v4(100.24,60.33) ; 91.47,60.17 91.44,60.21 v6(91.22,60.21) 90.87,60.21 v4(90.75,60.08) ; v6(99,57.74) 98.81,57.74 v4(98.69,57.61) ; v6(97.84,54.31) 97.93,54.23 v6(97.93,54.07) 97.89,54.03 v6(97.51,54.03) 97.51,54.29 v6(97.49,54.31) ; v6(97.84,54.31) v6(97.49,54.31) ; v4(103.4,69.15) 103.33,69.08 v6(103.04,69.08) 102.77,69.08 102.46,68.77 102.46,68.62 v6(102.53,68.55) 102.44,68.55 v4(102.22,68.33) ; v4(103.4,69.15) 103.44,69.11 v6(103.79,69.11) ; v4(103.4,69.15) 103.63,69.39 v6(103.67,69.39) ; v4(103.4,69.15) 103.18,69.37 v6(103.07,69.37) ; v6(98.58,68.53) 98.36,68.53 ; 98.36,68.53 98.38,68.55 v6(98.38,68.59) ; v4(88.93,65.4) 88.97,65.44 v6(88.97,65.75) 88.97,66.02 v4(89.05,66.09) ; v6(81.76,37.64) 81.53,37.64 v4(81.44,37.55) 81.07,37.55 v6(81.03,37.59) 80.61,37.59 80.49,37.47 ; v4(92.75,54.02) 92.75,54.35 v6(92.71,54.39) 92.86,54.54 ; v6(79.34,51.08) 79.34,51.37 v4(79.23,51.48) 79.23,51.72 v6(79.32,51.81) ; v6(79.34,51.08) 79.52,50.89 v6(79.52,50.81) 79.57,50.81 v4(79.84,51.08) ; v6(79.34,51.08) 79.21,50.95 v6(79.21,50.75) ; v5(76.98,38.86) 77.17,38.86 v5(77.27,38.96) ; v6(89.74,64.06) 89.78,64.09 v6(89.78,64.27) ; v4(96.45,56.72) 96.59,56.58 v5(96.85,56.58) ; v4(96.45,56.72) 96.33,56.84 v6(96.14,56.84) 96.14,56.85 v1(95.74,57.24) ; v4(96.45,56.72) 96.55,56.82 v6(96.74,56.82) ; 77.64,38.78 77.47,38.96 v5(77.27,38.96) ; 98.34,64.94 98.8,64.94 98.93,64.81 v1(98.93,64.8) 98.93,64.72 98.63,64.42 v4(98.63,64.39) ; 98.34,64.94 97.83,64.94 ; 98.34,64.94 v6(98.52,65.12) ; v4(103.83,68.37) 103.9,68.44 v6(104.17,68.44) ; v4(103.83,68.37) 103.75,68.45 v6(103.52,68.45) ; v6(88.22,64.92) 87.89,64.92 ; v4(90.22,68.04) 90.22,67.42 v6(90.23,67.41) 90.23,67.27 90.32,67.18 ; v5(69.22,35.86) 69.4,35.86 v5(69.5,35.76) 69.5,35.75 v1(69.25,35.5) 69.22,35.53 v5(69.22,35.86) ; v5(69.22,35.86) 69.21,35.87 v5(69.21,36.17) v5(68.95,36.44) 68.84,36.55 v5(68.73,36.55) ; v6(91.84,57.23) 91.88,57.23 92.08,57.43 ; 90.32,67.18 v4(90.48,67.03) 90.61,66.9 v6(90.8,66.9) 90.64,66.74 v6(90.64,66.71) 90.85,66.5 v6(90.85,66.42) 90.89,66.38 v6(91.18,66.38) 91.38,66.38 v4(91.47,66.29) 91.47,65.99 v6(91.44,65.96) ; 90.32,67.18 v6(90.16,67.18) ; v4(98.63,64.39) 98.54,64.48 ; v4(98.63,64.39) 98.74,64.5 v6(99.02,64.5) ; 98.54,64.48 v6(98.54,64.74) 98.54,65.1 v6(98.52,65.12) ; 98.54,64.48 98.4,64.61 v6(98.33,64.61) ; v4(89.05,66.09) 89.04,66.1 ; 97.03,55.18 v5(96.9,55.3) ; v5(96.9,55.3) 96.55,55.3 v5(96.52,55.33) 95.67,55.33 95.32,54.98 95.13,54.98 ; v5(96.9,55.3) 96.78,55.18 ; 78.55,51.86 78.54,51.84 v6(78.16,51.84) ; 78.55,51.86 78.53,51.88 ; v6(71,51.79) 71.17,51.79 v4(71.32,51.64) 71.26,51.58 71.04,51.58 v6(70.97,51.51) ; v6(93.19,68.06) 93.19,68.07 v4(92.89,68.37) ; v6(93.19,68.06) 93.06,67.93 v6(93.06,67.8) 93.42,67.8 v6(93.47,67.84) ; 94.04,58.05 94.22,58.05 v6(94.24,58.07) ; 94.04,58.05 v4(93.88,58.22) ; 98.58,57.51 98.52,57.45 v6(98.52,57.32) ; 98.58,57.51 v4(98.69,57.61) ; 98.58,57.51 98.4,57.51 v6(98.38,57.52) ; 90.2,53.97 v6(90.2,54.22) 89.99,54.44 v6(89.99,54.46) ; 90.2,53.97 v4(90.11,53.88) ; 72.69,40.02 72.53,39.87 v6(72.53,39.82) ; v5(100.59,62.13) 100.59,61.72 v1(100.54,61.66) ; v6(79.66,41.49) 79.66,41.74 v4(79.75,41.83) ; 97.83,64.94 97.85,64.96 97.85,65.3 ; 97.83,64.94 v1(97.38,64.94) ; v4(102.22,68.33) 102.15,68.26 v6(101.88,68.26) ; v4(102.22,68.33) 101.97,68.58 v6(101.92,68.58) ; v4(102.22,68.33) 102.28,68.27 v6(102.52,68.27) ; 92.26,61.17 92.13,61.29 v6(91.99,61.29) ; 92.26,61.17 v4(92.26,61.5) ; v4(97.02,64.67) 97.02,64.62 97.11,64.52 97.11,64.33 ; v4(97.02,64.67) 96.85,64.5 v6(96.85,64.36) 96.66,64.18 v1(96.54,64.18) ; v4(97.02,64.67) 96.99,64.7 96.99,64.97 v6(96.95,65.01) 96.97,65.03 97.13,65.03 ; v4(97.02,64.67) 97.11,64.67 97.31,64.87 ; v1(68.97,48.95) 69.64,48.95 v1(69.72,48.87) ; v4(100.24,60.33) 100.29,60.29 v6(100.29,60.01) 100.35,59.95 v1(100.63,59.95) 100.69,60.01 100.87,60.01 101.42,60.55 v1(101.42,60.65) 101.52,60.65 v1(102.13,60.04) 102.76,60.04 ; v4(91.66,65.3) 91.47,65.5 v6(91.41,65.5) ; v4(91.66,65.3) 91.38,65.3 v6(91.28,65.2) ; 82.02,36.38 80.16,36.38 ; v4(79.88,47.45) 79.88,47.44 79.7,47.25 v6(79.7,47.18) ; v4(79.88,47.45) 79.87,47.45 79.7,47.63 v6(79.58,47.63) ; v6(79.32,51.81) 79.32,52.06 v4(79.22,52.16) 79.15,52.1 78.8,52.1 ; v6(79.32,51.81) 79.28,51.85 v6(79.05,51.85) 78.91,51.72 ; v4(98.69,57.61) 98.72,57.58 98.96,57.58 v6(99.05,57.49) ; v6(79.07,41.41) 79.07,41.13 79.08,41.12 ; v6(91.44,65.96) 91.31,65.96 v6(91.16,66.1) 91.15,66.09 v4(90.77,66.09) 90.71,66.03 90.71,65.82 v6(90.67,65.78) ; 72.39,37.97 v6(72.39,38.28) ; 72.39,37.97 72.24,38.13 v6(72.17,38.13) ; 96.61,69.29 96.66,69.34 96.66,69.55 96.91,69.55 v1(97.26,69.9) ; v6(93.48,65.29) 93.48,65.46 v4(93.35,65.59) ; v1(98.96,60.03) 98.21,60.03 v1(98.17,60) 97.38,60 v1(97.37,60) ; v6(89.04,66.44) 89.01,66.44 v4(88.65,66.8) ; v6(89.04,66.44) 89.04,66.1 ; v6(89.04,66.44) 89.53,66.44 ; v4(72.19,47.34) 72.19,47.2 v6(72.34,47.05) ; v6(90.15,65.45) 90.15,65.18 v4(90.19,65.14) ; v6(90.15,65.45) v6(90.15,65.7) 89.89,65.7 ; v6(90.15,65.45) 89.97,65.45 v4(89.8,65.62) ; v5(68.07,45.04) v5(68.07,45.36) 68.07,45.66 v5(68.06,45.67) 68.09,45.67 v5(68.29,45.87) 68.3,45.88 v5(68.92,45.88) ; v4(93.35,65.59) 93.2,65.44 v6(93.2,65.29) ; v4(93.35,65.59) 93.49,65.73 v6(93.49,65.87) ; 91.95,68.06 92.08,67.93 v6(92.08,67.84) ; 91.95,68.06 v4(91.88,68.12) 91.54,68.12 91.46,68.2 91.44,68.2 91.32,68.33 v6(91.3,68.33) 91.3,68.34 91.23,68.42 91.23,68.43 91.17,68.49 v4(91.03,68.49) 90.89,68.49 90.81,68.58 90.79,68.58 v6(90.7,68.66) ; 103.4,69.26 103.4,69.7 103.36,69.74 ; v1(76.99,40.34) 76.87,40.34 v5(76.65,40.12) 76.45,40.12 v1(76.26,40.31) 76.18,40.23 v5(75.91,40.23) ; 97.13,65.03 v6(97.13,65.24) ; 97.13,65.03 97.29,65.03 v1(97.38,64.94) ; v6(97.13,65.24) 97.13,65.47 v4(97.04,65.55) ; v6(97.13,65.24) 97.19,65.3 v6(97.42,65.3) ; 92.08,57.43 v6(92.08,57.07) ; v4(83.19,37.52) 83.22,37.52 ; 83.22,37.52 83.31,37.42 v6(83.54,37.42) ; 83.22,37.52 83.38,37.69 ; v1(81.22,49.63) 81.22,49.59 80.94,49.32 80.74,49.32 v1(80.65,49.22) 80.65,49.28 80.18,49.74 v1(79.87,49.74) ; v6(102.73,57.6) 102.87,57.6 v4(103.1,57.84) ; 89.04,66.1 88.92,66.21 v6(88.72,66.21) ; 70.95,34.93 70.78,34.76 ; 70.95,34.93 v6(70.95,35.14) 70.95,35.25 v4(70.71,35.49) ; v6(102.56,59.1) 102.78,59.32 v1(102.93,59.32) ; 97.85,65.3 v6(97.42,65.3) ; v4(79.75,41.83) 79.91,41.66 v6(79.91,41.52) ; v4(79.75,41.83) 79.74,41.83 v6(79.74,42.16) 79.77,42.19 v6(79.77,42.43) ; 103.06,57.89 102.86,58.09 ; 103.06,57.89 v6(102.71,57.89) ; 103.06,57.89 v4(103.1,57.84) ; 102.86,58.09 v6(102.86,58.12) ; 80.1,36.32 80.16,36.38 ; v5(81.65,42.79) 81.44,42.79 v5(81.41,42.76) 81.16,42.76 81.08,42.84 ; 100.18,70.78 v6(100.18,70.84) ; 83.38,37.69 83.39,37.7 v6(83.57,37.7) ; 83.38,37.69 v6(83.38,37.83) ; v6(98.93,61.21) 98.93,61.51 ; v1(97.38,64.94) 97.31,64.87 ; v1(97.38,64.94) 97.42,64.98 v6(97.42,65.3) ; v4(81.72,46.66) 81.74,46.65 v6(81.74,46.3) 81.81,46.22 v4(81.81,45.91) ; v4(81.72,46.66) 81.46,46.4 v6(81.46,46.4) ; 72.07,40.86 72.11,40.81 ; v1(72.77,37.16) 72.65,37.05 v6(72.65,36.76) 72.71,36.76 v4(72.94,36.53) 72.94,36.69 v6(73.07,36.81) 73.07,36.86 v1(72.77,37.16) ; 90.27,60.76 v6(90.27,60.55) 90.27,60.34 v6(90.43,60.18) 90.53,60.08 v4(90.75,60.08) ; 69.36,37.16 69.55,37.35 v6(69.55,37.43) ; v6(97.31,64.51) 97.31,64.87 ; 97.32,69.96 97.34,69.98 v5(97.7,69.98) 98.05,69.98 v5(98.05,69.98) 98.05,70.21 98.16,70.31 ; v4(89.8,65.62) 89.89,65.7 ; 102.76,60.04 v4(102.78,60.02) 102.76,60.01 v6(102.46,60.01) ; 102.76,60.04 102.57,60.23 v6(102.53,60.23) ; v6(89.99,54.46) 90,54.47 v6(90,54.78) ; v1(81.19,38.74) 81.19,38.64 80.49,37.94 v1(80.46,37.94) 80.46,37.96 79.79,38.64 v1(79.79,38.74) ; 78.53,51.88 v6(78.53,52.19) ; 78.53,51.88 78.3,52.11 ; 89.89,65.7 89.94,65.75 v6(89.94,65.9) 89.82,65.9 89.61,66.1 v6(89.61,66.13) 89.61,66.42 v4(89.56,66.47) 89.53,66.44 ; v6(103.14,58.21) 103.14,57.87 v4(103.1,57.84) ; 101.42,61.26 101.42,61.36 v5(101.32,61.46) ; v6(97.62,60.3) 97.62,60.25 v1(97.37,60) ; v6(79.09,47.11) 79.09,46.78 v4(79.11,46.76) 79.19,46.68 v6(79.19,46.45) ; v6(93.84,67.26) 93.84,67.61 v4(93.81,67.64) ; v1(93.94,54) 93.94,54.52 94.03,54.61 94.2,54.61 94.21,54.6 v6(94.04,54.44) 94.22,54.44 v4(94.41,54.63) 94.25,54.78 v6(94.04,54.78) 93.5,54.78 v1(93.26,54.54) ; 83.51,48.84 83.62,48.95 ; v4(70.37,34.41) 70.02,34.41 ; 102.24,64.24 v6(102.24,64.59) ; v6(81.23,43.34) 81.23,43.17 v6(81.31,43.09) 81.3,43.09 81.05,42.84 ; 79.4,40.8 79.26,40.93